# Altium PCB XTIDA-010086.PcbDoc (part 3 of 17) (continued)
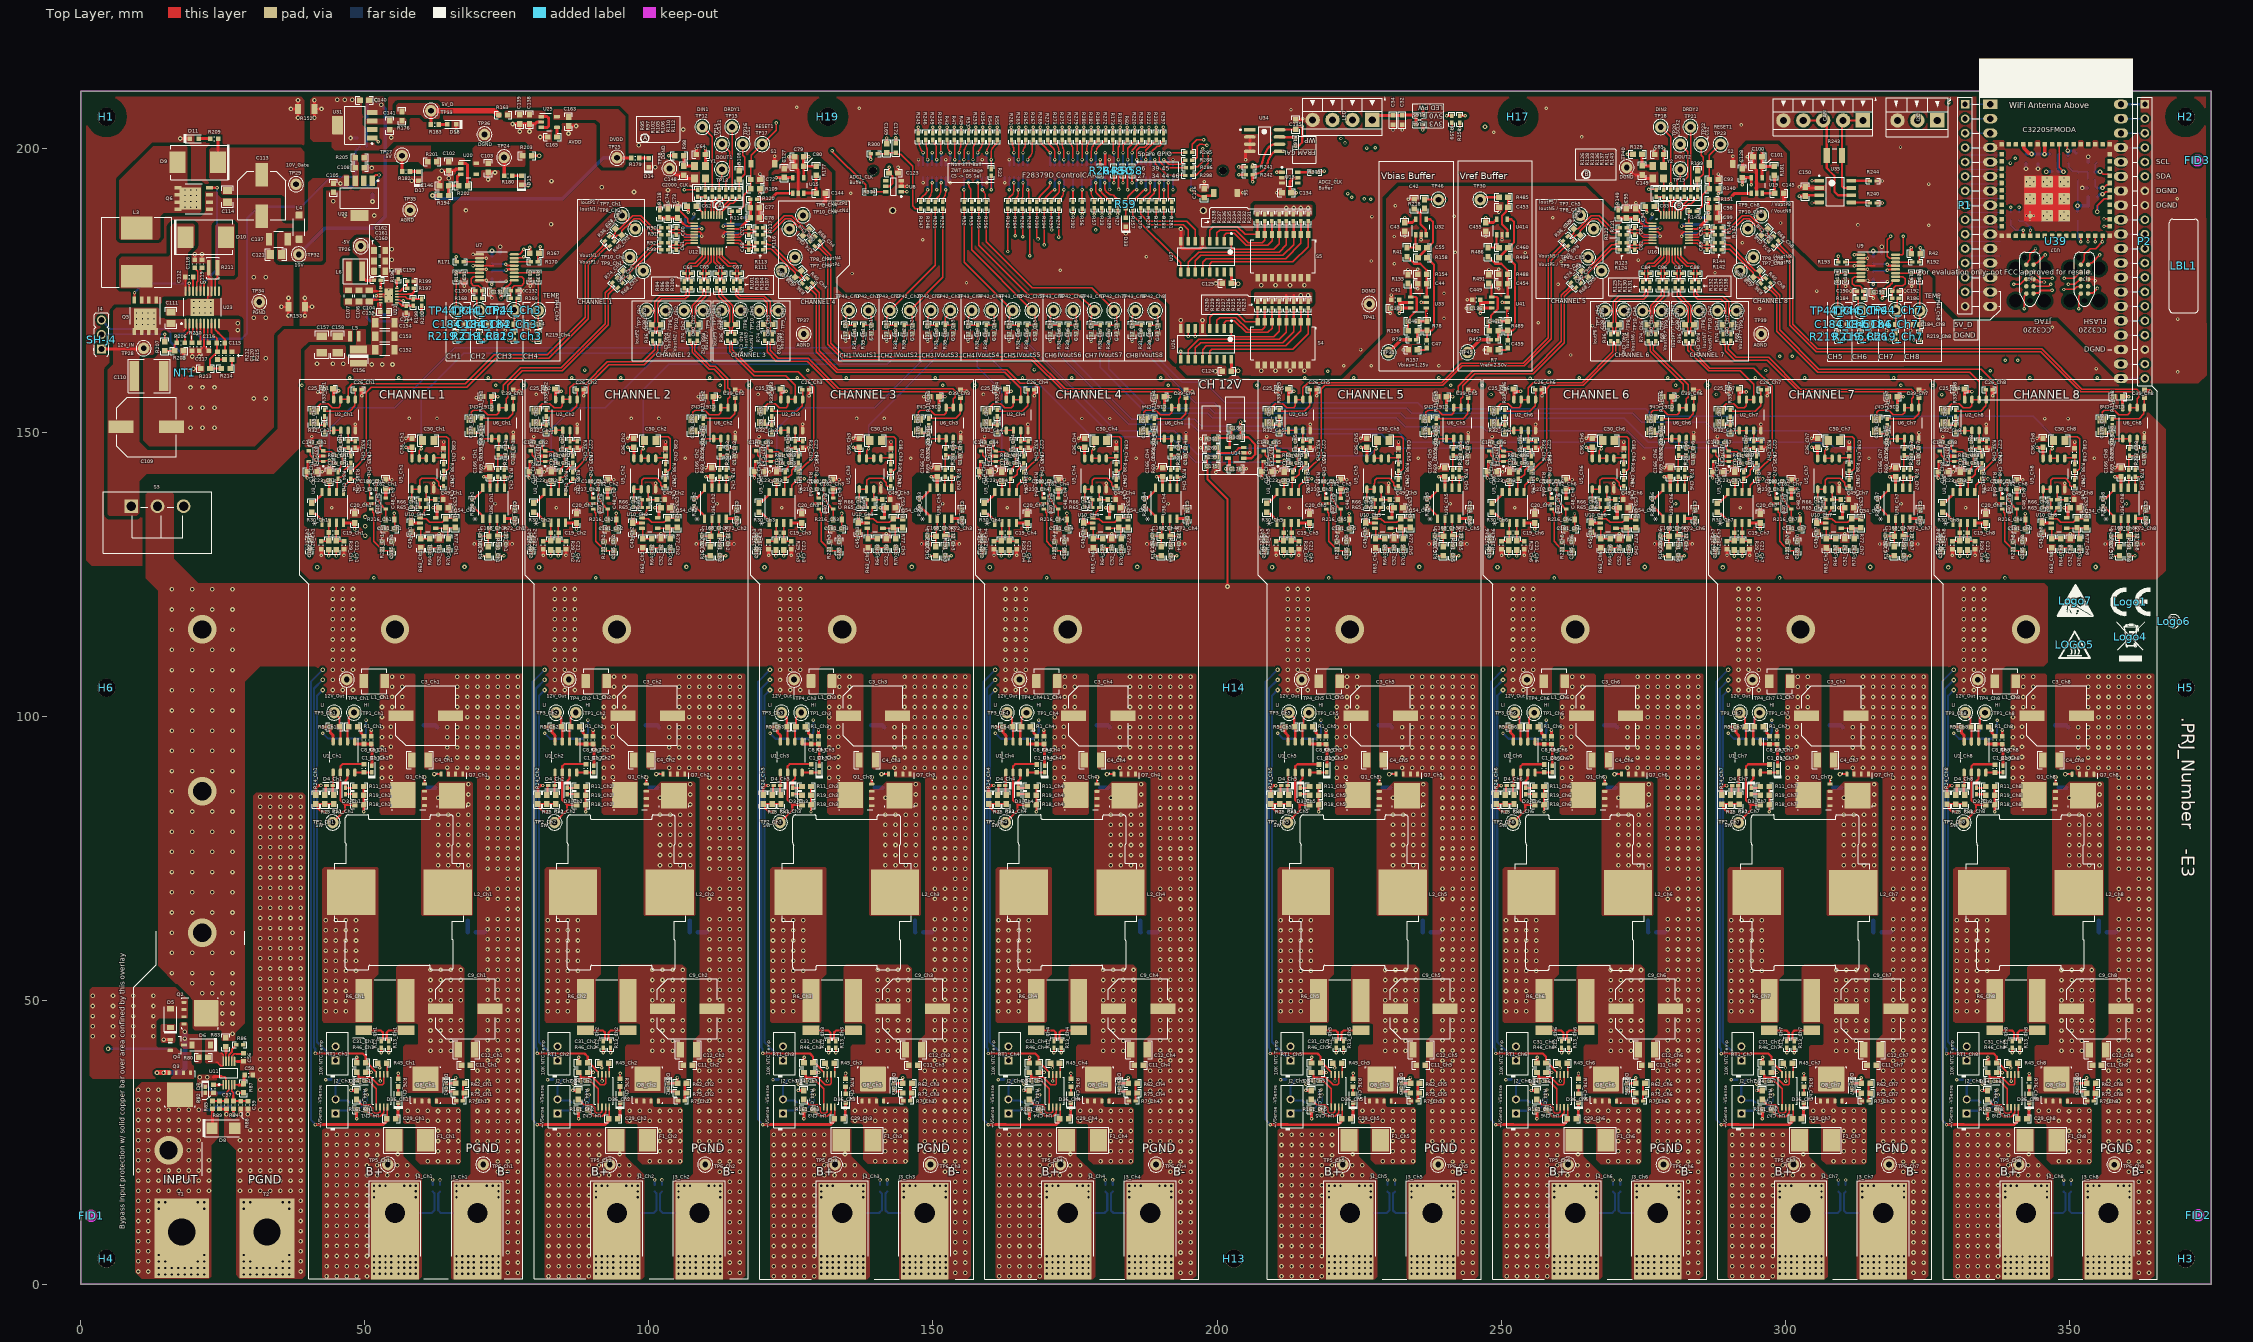
[diagram p0: Top Layer view]
## Components (designator, comment, footprint, x,y, rotation, side; value= is the part's Value field where it differs from the comment) (continued)
R9_Ch7 "RC1206FR-0710RL" 1206L 314.19,63.996 r0 bottom value=10.0 (schematic designator R9)
R9_Ch8 "RC1206FR-0710RL" 1206L 353.865,63.994 r0 bottom value=10.0 (schematic designator R9)
R10_Ch1 "CRCW04020000Z0ED" 0402 61.951,16.891 r270 bottom value=0 (schematic designator R10)
R10_Ch2 "CRCW04020000Z0ED" 0402 101.016,16.889 r270 bottom value=0 (schematic designator R10)
R10_Ch3 "CRCW04020000Z0ED" 0402 140.691,16.887 r270 bottom value=0 (schematic designator R10)
R10_Ch4 "CRCW04020000Z0ED" 0402 180.365,16.885 r270 bottom value=0 (schematic designator R10)
R10_Ch5 "CRCW04020000Z0ED" 0402 230.04,16.883 r270 bottom value=0 (schematic designator R10)
R10_Ch6 "CRCW04020000Z0ED" 0402 269.715,16.881 r270 bottom value=0 (schematic designator R10)
R10_Ch7 "CRCW04020000Z0ED" 0402 309.39,16.879 r270 bottom value=0 (schematic designator R10)
R10_Ch8 "CRCW04020000Z0ED" 0402 349.065,16.877 r270 bottom value=0 (schematic designator R10)
R11_Ch1 "CRCW06032R00FKEA" 0603 48.993,87.612 r180 top value=2.00 (schematic designator R11)
R11_Ch2 "CRCW06032R00FKEA" 0603 88.058,87.61 r180 top value=2.00 (schematic designator R11)
R11_Ch3 "CRCW06032R00FKEA" 0603 127.733,87.608 r180 top value=2.00 (schematic designator R11)
R11_Ch4 "CRCW06032R00FKEA" 0603 167.408,87.606 r180 top value=2.00 (schematic designator R11)
R11_Ch5 "CRCW06032R00FKEA" 0603 217.083,87.604 r180 top value=2.00 (schematic designator R11)
R11_Ch6 "CRCW06032R00FKEA" 0603 256.758,87.602 r180 top value=2.00 (schematic designator R11)
R11_Ch7 "CRCW06032R00FKEA" 0603 296.432,87.6 r180 top value=2.00 (schematic designator R11)
R11_Ch8 "CRCW06032R00FKEA" 0603 336.107,87.598 r180 top value=2.00 (schematic designator R11)
R12_Ch1 "CRCW04020000Z0ED" 0402 52.883,42.198 r90 top value=0 (schematic designator R12)
R12_Ch2 "CRCW04020000Z0ED" 0402 91.948,42.196 r90 top value=0 (schematic designator R12)
R12_Ch3 "CRCW04020000Z0ED" 0402 131.623,42.194 r90 top value=0 (schematic designator R12)
R12_Ch4 "CRCW04020000Z0ED" 0402 171.298,42.192 r90 top value=0 (schematic designator R12)
R12_Ch5 "CRCW04020000Z0ED" 0402 220.972,42.19 r90 top value=0 (schematic designator R12)
R12_Ch6 "CRCW04020000Z0ED" 0402 260.647,42.188 r90 top value=0 (schematic designator R12)
R12_Ch7 "CRCW04020000Z0ED" 0402 300.322,42.186 r90 top value=0 (schematic designator R12)
R12_Ch8 "CRCW04020000Z0ED" 0402 339.997,42.184 r90 top value=0 (schematic designator R12)
R13_Ch1 "CRCW04020000Z0ED" 0402 54.178,42.198 r90 top value=0 (schematic designator R13)
R13_Ch2 "CRCW04020000Z0ED" 0402 93.243,42.196 r90 top value=0 (schematic designator R13)
R13_Ch3 "CRCW04020000Z0ED" 0402 132.918,42.194 r90 top value=0 (schematic designator R13)
R13_Ch4 "CRCW04020000Z0ED" 0402 172.593,42.192 r90 top value=0 (schematic designator R13)
R13_Ch5 "CRCW04020000Z0ED" 0402 222.268,42.19 r90 top value=0 (schematic designator R13)
R13_Ch6 "CRCW04020000Z0ED" 0402 261.943,42.188 r90 top value=0 (schematic designator R13)
R13_Ch7 "CRCW04020000Z0ED" 0402 301.617,42.186 r90 top value=0 (schematic designator R13)
R13_Ch8 "CRCW04020000Z0ED" 0402 341.292,42.184 r90 top value=0 (schematic designator R13)
R14_Ch1 "CRCW04020000Z0ED" 0402 47.904,30.709 r180 bottom value=0 (schematic designator R14)
R14_Ch2 "CRCW04020000Z0ED" 0402 86.97,30.707 r180 bottom value=0 (schematic designator R14)
R14_Ch3 "CRCW04020000Z0ED" 0402 126.644,30.705 r180 bottom value=0 (schematic designator R14)
R14_Ch4 "CRCW04020000Z0ED" 0402 166.319,30.703 r180 bottom value=0 (schematic designator R14)
R14_Ch5 "CRCW04020000Z0ED" 0402 215.994,30.701 r180 bottom value=0 (schematic designator R14)
R14_Ch6 "CRCW04020000Z0ED" 0402 255.669,30.699 r180 bottom value=0 (schematic designator R14)
R14_Ch7 "CRCW04020000Z0ED" 0402 295.344,30.697 r180 bottom value=0 (schematic designator R14)
R14_Ch8 "CRCW04020000Z0ED" 0402 335.018,30.695 r180 bottom value=0 (schematic designator R14)
R15_Ch1 "CRCW06031M00FKEA" 0603 44.882,36.006 r180 bottom value=1.00Meg (schematic designator R15)
R15_Ch2 "CRCW06031M00FKEA" 0603 83.947,36.004 r180 bottom value=1.00Meg (schematic designator R15)
R15_Ch3 "CRCW06031M00FKEA" 0603 123.622,36.002 r180 bottom value=1.00Meg (schematic designator R15)
R15_Ch4 "CRCW06031M00FKEA" 0603 163.297,36 r180 bottom value=1.00Meg (schematic designator R15)
R15_Ch5 "CRCW06031M00FKEA" 0603 212.971,35.998 r180 bottom value=1.00Meg (schematic designator R15)
R15_Ch6 "CRCW06031M00FKEA" 0603 252.646,35.996 r180 bottom value=1.00Meg (schematic designator R15)
R15_Ch7 "CRCW06031M00FKEA" 0603 292.321,35.994 r180 bottom value=1.00Meg (schematic designator R15)
R15_Ch8 "CRCW06031M00FKEA" 0603 331.996,35.992 r180 bottom value=1.00Meg (schematic designator R15)
R16_Ch1 "CRCW060349K9FKEA" 0603 71.751,129.051 r270 top value=49.9k (schematic designator R16)
R16_Ch2 "CRCW060349K9FKEA" 0603 110.816,129.049 r270 top value=49.9k (schematic designator R16)
R16_Ch3 "CRCW060349K9FKEA" 0603 150.491,129.047 r270 top value=49.9k (schematic designator R16)
R16_Ch4 "CRCW060349K9FKEA" 0603 190.166,129.045 r270 top value=49.9k (schematic designator R16)
R16_Ch5 "CRCW060349K9FKEA" 0603 239.841,129.043 r270 top value=49.9k (schematic designator R16)
R16_Ch6 "CRCW060349K9FKEA" 0603 279.515,129.041 r270 top value=49.9k (schematic designator R16)
R16_Ch7 "CRCW060349K9FKEA" 0603 319.19,129.039 r270 top value=49.9k (schematic designator R16)
R16_Ch8 "CRCW060349K9FKEA" 0603 358.865,129.037 r270 top value=49.9k (schematic designator R16)
R17_Ch1 "CRCW04020000Z0ED" 0402 47.904,32.029 r180 bottom value=0 (schematic designator R17)
R17_Ch2 "CRCW04020000Z0ED" 0402 86.97,32.027 r180 bottom value=0 (schematic designator R17)
R17_Ch3 "CRCW04020000Z0ED" 0402 126.644,32.025 r180 bottom value=0 (schematic designator R17)
R17_Ch4 "CRCW04020000Z0ED" 0402 166.319,32.023 r180 bottom value=0 (schematic designator R17)
R17_Ch5 "CRCW04020000Z0ED" 0402 215.994,32.021 r180 bottom value=0 (schematic designator R17)
R17_Ch6 "CRCW04020000Z0ED" 0402 255.669,32.019 r180 bottom value=0 (schematic designator R17)
R17_Ch7 "CRCW04020000Z0ED" 0402 295.344,32.017 r180 bottom value=0 (schematic designator R17)
R17_Ch8 "CRCW04020000Z0ED" 0402 335.018,32.015 r180 bottom value=0 (schematic designator R17)
R18_Ch1 "RC0603FR-0710KL" 0603 48.993,84.406 r0 top value=10.0k (schematic designator R18)
R18_Ch2 "RC0603FR-0710KL" 0603 88.058,84.404 r0 top value=10.0k (schematic designator R18)
R18_Ch3 "RC0603FR-0710KL" 0603 127.733,84.402 r0 top value=10.0k (schematic designator R18)
R18_Ch4 "RC0603FR-0710KL" 0603 167.408,84.4 r0 top value=10.0k (schematic designator R18)
R18_Ch5 "RC0603FR-0710KL" 0603 217.083,84.398 r0 top value=10.0k (schematic designator R18)
R18_Ch6 "RC0603FR-0710KL" 0603 256.758,84.396 r0 top value=10.0k (schematic designator R18)
R18_Ch7 "RC0603FR-0710KL" 0603 296.432,84.394 r0 top value=10.0k (schematic designator R18)
R18_Ch8 "RC0603FR-0710KL" 0603 336.107,84.392 r0 top value=10.0k (schematic designator R18)
R19_Ch1 "RC0603FR-071RL" 0603 48.993,86.066 r0 top value=1.00 (schematic designator R19)
R19_Ch2 "RC0603FR-071RL" 0603 88.058,86.064 r0 top value=1.00 (schematic designator R19)
R19_Ch3 "RC0603FR-071RL" 0603 127.733,86.062 r0 top value=1.00 (schematic designator R19)
R19_Ch4 "RC0603FR-071RL" 0603 167.408,86.06 r0 top value=1.00 (schematic designator R19)
R19_Ch5 "RC0603FR-071RL" 0603 217.083,86.058 r0 top value=1.00 (schematic designator R19)
R19_Ch6 "RC0603FR-071RL" 0603 256.758,86.056 r0 top value=1.00 (schematic designator R19)
R19_Ch7 "RC0603FR-071RL" 0603 296.432,86.054 r0 top value=1.00 (schematic designator R19)
R19_Ch8 "RC0603FR-071RL" 0603 336.107,86.052 r0 top value=1.00 (schematic designator R19)
R20_Ch1 "CRCW04020000Z0ED" 0402 63.221,16.891 r90 bottom value=0 (schematic designator R20)
R20_Ch2 "CRCW04020000Z0ED" 0402 102.286,16.889 r90 bottom value=0 (schematic designator R20)
R20_Ch3 "CRCW04020000Z0ED" 0402 141.961,16.887 r90 bottom value=0 (schematic designator R20)
R20_Ch4 "CRCW04020000Z0ED" 0402 181.635,16.885 r90 bottom value=0 (schematic designator R20)
R20_Ch5 "CRCW04020000Z0ED" 0402 231.31,16.883 r90 bottom value=0 (schematic designator R20)
R20_Ch6 "CRCW04020000Z0ED" 0402 270.985,16.881 r90 bottom value=0 (schematic designator R20)
R20_Ch7 "CRCW04020000Z0ED" 0402 310.66,16.879 r90 bottom value=0 (schematic designator R20)
R20_Ch8 "CRCW04020000Z0ED" 0402 350.335,16.877 r90 bottom value=0 (schematic designator R20)
R21_Ch1 "CRCW06032R00FKEA" 0603 44.51,85.321 r90 top value=2.00 (schematic designator R21)
R21_Ch2 "CRCW06032R00FKEA" 0603 83.575,85.319 r90 top value=2.00 (schematic designator R21)
R21_Ch3 "CRCW06032R00FKEA" 0603 123.25,85.317 r90 top value=2.00 (schematic designator R21)
R21_Ch4 "CRCW06032R00FKEA" 0603 162.925,85.315 r90 top value=2.00 (schematic designator R21)
R21_Ch5 "CRCW06032R00FKEA" 0603 212.6,85.313 r90 top value=2.00 (schematic designator R21)
R21_Ch6 "CRCW06032R00FKEA" 0603 252.274,85.311 r90 top value=2.00 (schematic designator R21)
R21_Ch7 "CRCW06032R00FKEA" 0603 291.949,85.309 r90 top value=2.00 (schematic designator R21)
R21_Ch8 "CRCW06032R00FKEA" 0603 331.624,85.307 r90 top value=2.00 (schematic designator R21)
R22 "CRCW04020000Z0ED" 0402 160.25,195.707 r270 top value=0
R23 "FC0402E50R0BST1" 0402 179.734,189.959 r90 top value=50
R24_Ch1 "RC0603FR-0710KL" 0603 41.386,85.321 r270 top value=10.0k (schematic designator R24)
R24_Ch2 "RC0603FR-0710KL" 0603 80.451,85.319 r270 top value=10.0k (schematic designator R24)
R24_Ch3 "RC0603FR-0710KL" 0603 120.126,85.317 r270 top value=10.0k (schematic designator R24)
R24_Ch4 "RC0603FR-0710KL" 0603 159.801,85.315 r270 top value=10.0k (schematic designator R24)
R24_Ch5 "RC0603FR-0710KL" 0603 209.475,85.313 r270 top value=10.0k (schematic designator R24)
R24_Ch6 "RC0603FR-0710KL" 0603 249.15,85.311 r270 top value=10.0k (schematic designator R24)
R24_Ch7 "RC0603FR-0710KL" 0603 288.825,85.309 r270 top value=10.0k (schematic designator R24)
R24_Ch8 "RC0603FR-0710KL" 0603 328.5,85.307 r270 top value=10.0k (schematic designator R24)
R25_Ch1 "RC0603FR-071RL" 0603 42.947,85.321 r270 top value=1.00 (schematic designator R25)
R25_Ch2 "RC0603FR-071RL" 0603 82.012,85.319 r270 top value=1.00 (schematic designator R25)
R25_Ch3 "RC0603FR-071RL" 0603 121.687,85.317 r270 top value=1.00 (schematic designator R25)
R25_Ch4 "RC0603FR-071RL" 0603 161.362,85.315 r270 top value=1.00 (schematic designator R25)
R25_Ch5 "RC0603FR-071RL" 0603 211.037,85.313 r270 top value=1.00 (schematic designator R25)
R25_Ch6 "RC0603FR-071RL" 0603 250.711,85.311 r270 top value=1.00 (schematic designator R25)
R25_Ch7 "RC0603FR-071RL" 0603 290.386,85.309 r270 top value=1.00 (schematic designator R25)
R25_Ch8 "RC0603FR-071RL" 0603 330.061,85.307 r270 top value=1.00 (schematic designator R25)
R26 "CRCW04020000Z0ED" 0402 179.45,195.986 r270 top value=0
R27 "FC0402E50R0BST1" 0402 182.465,189.959 r90 top value=50
R28_Ch1 "RG1608P-102-B-T5" 0603 43.622,130.055 r90 top value=1.00k (schematic designator R28)
R28_Ch2 "RG1608P-102-B-T5" 0603 82.687,130.053 r90 top value=1.00k (schematic designator R28)
R28_Ch3 "RG1608P-102-B-T5" 0603 122.362,130.051 r90 top value=1.00k (schematic designator R28)
R28_Ch4 "RG1608P-102-B-T5" 0603 162.037,130.049 r90 top value=1.00k (schematic designator R28)
R28_Ch5 "RG1608P-102-B-T5" 0603 211.712,130.047 r90 top value=1.00k (schematic designator R28)
R28_Ch6 "RG1608P-102-B-T5" 0603 251.386,130.045 r90 top value=1.00k (schematic designator R28)
R28_Ch7 "RG1608P-102-B-T5" 0603 291.061,130.043 r90 top value=1.00k (schematic designator R28)
R28_Ch8 "RG1608P-102-B-T5" 0603 330.736,130.041 r90 top value=1.00k (schematic designator R28)
R29_Ch1 "RG1608P-102-B-T5" 0603 44.994,130.055 r90 top value=1.00k (schematic designator R29)
R29_Ch2 "RG1608P-102-B-T5" 0603 84.059,130.053 r90 top value=1.00k (schematic designator R29)
R29_Ch3 "RG1608P-102-B-T5" 0603 123.734,130.051 r90 top value=1.00k (schematic designator R29)
R29_Ch4 "RG1608P-102-B-T5" 0603 163.408,130.049 r90 top value=1.00k (schematic designator R29)
R29_Ch5 "RG1608P-102-B-T5" 0603 213.083,130.047 r90 top value=1.00k (schematic designator R29)
R29_Ch6 "RG1608P-102-B-T5" 0603 252.758,130.045 r90 top value=1.00k (schematic designator R29)
R29_Ch7 "RG1608P-102-B-T5" 0603 292.433,130.043 r90 top value=1.00k (schematic designator R29)
R29_Ch8 "RG1608P-102-B-T5" 0603 332.108,130.041 r90 top value=1.00k (schematic designator R29)
R30_Ch1 "RT0603BRD072K18L" 0603 40.645,136.701 r270 top value=2.18k (schematic designator R30)
R30_Ch2 "RT0603BRD072K18L" 0603 79.71,136.699 r270 top value=2.18k (schematic designator R30)
R30_Ch3 "RT0603BRD072K18L" 0603 119.385,136.697 r270 top value=2.18k (schematic designator R30)
R30_Ch4 "RT0603BRD072K18L" 0603 159.06,136.695 r270 top value=2.18k (schematic designator R30)
R30_Ch5 "RT0603BRD072K18L" 0603 208.734,136.693 r270 top value=2.18k (schematic designator R30)
R30_Ch6 "RT0603BRD072K18L" 0603 248.409,136.691 r270 top value=2.18k (schematic designator R30)
R30_Ch7 "RT0603BRD072K18L" 0603 288.084,136.689 r270 top value=2.18k (schematic designator R30)
R30_Ch8 "RT0603BRD072K18L" 0603 327.759,136.687 r270 top value=2.18k (schematic designator R30)
R31_Ch1 "CRCW04020000Z0ED" 0402 136.246,168.211 r90 top value=0 (schematic designator R31)
R31_Ch2 "CRCW04020000Z0ED" 0402 143.447,168.211 r90 top value=0 (schematic designator R31)
R31_Ch3 "CRCW04020000Z0ED" 0402 150.649,168.211 r90 top value=0 (schematic designator R31)
R31_Ch4 "CRCW04020000Z0ED" 0402 157.851,168.211 r90 top value=0 (schematic designator R31)
R31_Ch5 "CRCW04020000Z0ED" 0402 165.052,168.211 r90 top value=0 (schematic designator R31)
R31_Ch6 "CRCW04020000Z0ED" 0402 172.254,168.211 r90 top value=0 (schematic designator R31)
R31_Ch7 "CRCW04020000Z0ED" 0402 179.456,168.211 r90 top value=0 (schematic designator R31)
R31_Ch8 "CRCW04020000Z0ED" 0402 186.657,168.211 r90 top value=0 (schematic designator R31)
R32_Ch1 "CRCW04022K70JNED" 0402 42.887,150.571 r90 top value=2.7k (schematic designator R32)
R32_Ch2 "CRCW04022K70JNED" 0402 81.952,150.569 r90 top value=2.7k (schematic designator R32)
R32_Ch3 "CRCW04022K70JNED" 0402 121.627,150.567 r90 top value=2.7k (schematic designator R32)
R32_Ch4 "CRCW04022K70JNED" 0402 161.301,150.565 r90 top value=2.7k (schematic designator R32)
R32_Ch5 "CRCW04022K70JNED" 0402 210.976,150.563 r90 top value=2.7k (schematic designator R32)
R32_Ch6 "CRCW04022K70JNED" 0402 250.651,150.561 r90 top value=2.7k (schematic designator R32)
R32_Ch7 "CRCW04022K70JNED" 0402 290.326,150.559 r90 top value=2.7k (schematic designator R32)
R32_Ch8 "CRCW04022K70JNED" 0402 330.001,150.557 r90 top value=2.7k (schematic designator R32)
R33_Ch1 "CRCW04025K10JNED" 0402 42.887,153.34 r90 top value=5.1k (schematic designator R33)
R33_Ch2 "CRCW04025K10JNED" 0402 81.952,153.338 r90 top value=5.1k (schematic designator R33)
R33_Ch3 "CRCW04025K10JNED" 0402 121.627,153.336 r90 top value=5.1k (schematic designator R33)
R33_Ch4 "CRCW04025K10JNED" 0402 161.301,153.334 r90 top value=5.1k (schematic designator R33)
R33_Ch5 "CRCW04025K10JNED" 0402 210.976,153.332 r90 top value=5.1k (schematic designator R33)
R33_Ch6 "CRCW04025K10JNED" 0402 250.651,153.33 r90 top value=5.1k (schematic designator R33)
R33_Ch7 "CRCW04025K10JNED" 0402 290.326,153.328 r90 top value=5.1k (schematic designator R33)
R33_Ch8 "CRCW04025K10JNED" 0402 330.001,153.326 r90 top value=5.1k (schematic designator R33)
R34_Ch1 "CRCW04020000Z0ED" 0402 45.274,142.361 r90 top value=0 (schematic designator R34)
R34_Ch2 "CRCW04020000Z0ED" 0402 84.339,142.359 r90 top value=0 (schematic designator R34)
R34_Ch3 "CRCW04020000Z0ED" 0402 124.014,142.357 r90 top value=0 (schematic designator R34)
R34_Ch4 "CRCW04020000Z0ED" 0402 163.689,142.355 r90 top value=0 (schematic designator R34)
R34_Ch5 "CRCW04020000Z0ED" 0402 213.364,142.353 r90 top value=0 (schematic designator R34)
R34_Ch6 "CRCW04020000Z0ED" 0402 253.039,142.351 r90 top value=0 (schematic designator R34)
R34_Ch7 "CRCW04020000Z0ED" 0402 292.713,142.349 r90 top value=0 (schematic designator R34)
R34_Ch8 "CRCW04020000Z0ED" 0402 332.388,142.347 r90 top value=0 (schematic designator R34)
R35_Ch1 "CRCW04027K50FKED" 0402 47.53,145.153 r90 top value=7.50k (schematic designator R35)
R35_Ch2 "CRCW04027K50FKED" 0402 86.595,145.151 r90 top value=7.50k (schematic designator R35)
R35_Ch3 "CRCW04027K50FKED" 0402 126.27,145.149 r90 top value=7.50k (schematic designator R35)
R35_Ch4 "CRCW04027K50FKED" 0402 165.944,145.147 r90 top value=7.50k (schematic designator R35)
R35_Ch5 "CRCW04027K50FKED" 0402 215.619,145.145 r90 top value=7.50k (schematic designator R35)
R35_Ch6 "CRCW04027K50FKED" 0402 255.294,145.143 r90 top value=7.50k (schematic designator R35)
R35_Ch7 "CRCW04027K50FKED" 0402 294.969,145.141 r90 top value=7.50k (schematic designator R35)
R35_Ch8 "CRCW04027K50FKED" 0402 334.644,145.139 r90 top value=7.50k (schematic designator R35)
R36_Ch1 "CRCW04020000Z0ED" 0402 92.623,184.052 r45 top value=0 (schematic designator R36)
R36_Ch2 "CRCW04020000Z0ED" 0402 100.628,166.625 r90 top value=0 (schematic designator R36)
R36_Ch3 "CRCW04020000Z0ED" 0402 113.834,166.674 r90 top value=0 (schematic designator R36)
R36_Ch4 "CRCW04020000Z0ED" 0402 127.429,175.783 r135 top value=0 (schematic designator R36)
R36_Ch5 "CRCW04020000Z0ED" 0402 261.313,184.055 r45 top value=0 (schematic designator R36)
R36_Ch6 "CRCW04020000Z0ED" 0402 269.322,166.617 r90 top value=0 (schematic designator R36)
R36_Ch7 "CRCW04020000Z0ED" 0402 282.532,166.617 r90 top value=0 (schematic designator R36)
R36_Ch8 "CRCW04020000Z0ED" 0402 296.128,175.775 r135 top value=0 (schematic designator R36)
R37_Ch1 "CRCW040211K0FKED" 0402 47.038,147.828 r90 top value=11.0k (schematic designator R37)
R37_Ch2 "CRCW040211K0FKED" 0402 86.104,147.826 r90 top value=11.0k (schematic designator R37)
R37_Ch3 "CRCW040211K0FKED" 0402 125.778,147.824 r90 top value=11.0k (schematic designator R37)
R37_Ch4 "CRCW040211K0FKED" 0402 165.453,147.822 r90 top value=11.0k (schematic designator R37)
R37_Ch5 "CRCW040211K0FKED" 0402 215.128,147.82 r90 top value=11.0k (schematic designator R37)
R37_Ch6 "CRCW040211K0FKED" 0402 254.803,147.818 r90 top value=11.0k (schematic designator R37)
R37_Ch7 "CRCW040211K0FKED" 0402 294.478,147.816 r90 top value=11.0k (schematic designator R37)
R37_Ch8 "CRCW040211K0FKED" 0402 334.152,147.814 r90 top value=11.0k (schematic designator R37)
R38_Ch1 "CRCW04025K10JNED" 0402 63.857,143.779 r90 top value=5.1k (schematic designator R38)
R38_Ch2 "CRCW04025K10JNED" 0402 102.922,143.777 r90 top value=5.1k (schematic designator R38)
R38_Ch3 "CRCW04025K10JNED" 0402 142.597,143.775 r90 top value=5.1k (schematic designator R38)
R38_Ch4 "CRCW04025K10JNED" 0402 182.272,143.773 r90 top value=5.1k (schematic designator R38)
R38_Ch5 "CRCW04025K10JNED" 0402 231.947,143.771 r90 top value=5.1k (schematic designator R38)
R38_Ch6 "CRCW04025K10JNED" 0402 271.622,143.769 r90 top value=5.1k (schematic designator R38)
R38_Ch7 "CRCW04025K10JNED" 0402 311.296,143.767 r90 top value=5.1k (schematic designator R38)
R38_Ch8 "CRCW04025K10JNED" 0402 350.971,143.765 r90 top value=5.1k (schematic designator R38)
R39_Ch1 "CRCW04020000Z0ED" 0402 137.77,168.211 r90 top value=0 (schematic designator R39)
R39_Ch2 "CRCW04020000Z0ED" 0402 144.971,168.211 r90 top value=0 (schematic designator R39)
R39_Ch3 "CRCW04020000Z0ED" 0402 152.173,168.211 r90 top value=0 (schematic designator R39)
R39_Ch4 "CRCW04020000Z0ED" 0402 159.375,168.211 r90 top value=0 (schematic designator R39)
R39_Ch5 "CRCW04020000Z0ED" 0402 166.576,168.211 r90 top value=0 (schematic designator R39)
R39_Ch6 "CRCW04020000Z0ED" 0402 173.778,168.211 r90 top value=0 (schematic designator R39)
R39_Ch7 "CRCW04020000Z0ED" 0402 180.98,168.211 r90 top value=0 (schematic designator R39)
R39_Ch8 "CRCW04020000Z0ED" 0402 188.181,168.211 r90 top value=0 (schematic designator R39)
R40_Ch1 "CRCW04020000Z0ED" 0402 93.504,183.172 r225 top value=0 (schematic designator R40)
R40_Ch2 "CRCW04020000Z0ED" 0402 101.873,166.625 r270 top value=0 (schematic designator R40)
R40_Ch3 "CRCW04020000Z0ED" 0402 115.079,166.674 r270 top value=0 (schematic designator R40)
R40_Ch4 "CRCW04020000Z0ED" 0402 128.309,176.664 r315 top value=0 (schematic designator R40)
R40_Ch5 "CRCW04020000Z0ED" 0402 262.193,183.174 r225 top value=0 (schematic designator R40)
R40_Ch6 "CRCW04020000Z0ED" 0402 270.566,166.617 r270 top value=0 (schematic designator R40)
R40_Ch7 "CRCW04020000Z0ED" 0402 283.777,166.617 r270 top value=0 (schematic designator R40)
R40_Ch8 "CRCW04020000Z0ED" 0402 297.008,176.656 r315 top value=0 (schematic designator R40)
R41 "RG1608P-2491-B-T5" 0603 233.453,181.676 r270 top value=2.49k
R42 "RC0603FR-07100KL" 0603 323.008,181.421 r180 top value=100k
R43 "CRCW04020000Z0ED" 0402 152.478,202.006 r270 top value=0
R44_Ch1 "RC0603FR-0710KL" 0603 48.523,33.305 r90 top value=10.0k (schematic designator R44)
R44_Ch2 "RC0603FR-0710KL" 0603 87.588,33.303 r90 top value=10.0k (schematic designator R44)
R44_Ch3 "RC0603FR-0710KL" 0603 127.263,33.301 r90 top value=10.0k (schematic designator R44)
R44_Ch4 "RC0603FR-0710KL" 0603 166.938,33.299 r90 top value=10.0k (schematic designator R44)
R44_Ch5 "RC0603FR-0710KL" 0603 216.612,33.297 r90 top value=10.0k (schematic designator R44)
R44_Ch6 "RC0603FR-0710KL" 0603 256.287,33.295 r90 top value=10.0k (schematic designator R44)
R44_Ch7 "RC0603FR-0710KL" 0603 295.962,33.293 r90 top value=10.0k (schematic designator R44)
R44_Ch8 "RC0603FR-0710KL" 0603 335.637,33.291 r90 top value=10.0k (schematic designator R44)
R45_Ch1 "RC0603FR-0710KL" 0603 53.061,38.923 r180 top value=10.0k (schematic designator R45)
R45_Ch2 "RC0603FR-0710KL" 0603 92.126,38.921 r180 top value=10.0k (schematic designator R45)
R45_Ch3 "RC0603FR-0710KL" 0603 131.801,38.919 r180 top value=10.0k (schematic designator R45)
R45_Ch4 "RC0603FR-0710KL" 0603 171.475,38.917 r180 top value=10.0k (schematic designator R45)
R45_Ch5 "RC0603FR-0710KL" 0603 221.15,38.915 r180 top value=10.0k (schematic designator R45)
R45_Ch6 "RC0603FR-0710KL" 0603 260.825,38.913 r180 top value=10.0k (schematic designator R45)
R45_Ch7 "RC0603FR-0710KL" 0603 300.5,38.911 r180 top value=10.0k (schematic designator R45)
R45_Ch8 "RC0603FR-0710KL" 0603 340.175,38.909 r180 top value=10.0k (schematic designator R45)
R46_Ch1 "RC0603FR-0710KL" 0603 49.354,37.272 r0 top value=10.0k (schematic designator R46)
R46_Ch2 "RC0603FR-0710KL" 0603 88.419,37.27 r0 top value=10.0k (schematic designator R46)
R46_Ch3 "RC0603FR-0710KL" 0603 128.094,37.268 r0 top value=10.0k (schematic designator R46)
R46_Ch4 "RC0603FR-0710KL" 0603 167.769,37.266 r0 top value=10.0k (schematic designator R46)
R46_Ch5 "RC0603FR-0710KL" 0603 217.443,37.264 r0 top value=10.0k (schematic designator R46)
R46_Ch6 "RC0603FR-0710KL" 0603 257.118,37.262 r0 top value=10.0k (schematic designator R46)
R46_Ch7 "RC0603FR-0710KL" 0603 296.793,37.26 r0 top value=10.0k (schematic designator R46)
R46_Ch8 "RC0603FR-0710KL" 0603 336.468,37.258 r0 top value=10.0k (schematic designator R46)
R47 "CRCW04020000Z0ED" 0402 153.738,202.006 r270 top value=0
R48 "CRCW04020000Z0ED" 0402 181.85,195.986 r270 top value=0
R49 "CRCW04020000Z0ED" 0402 154.998,202.006 r270 top value=0
R50 "CRCW04020000Z0ED" 0402 183.45,195.986 r270 top value=0
R51 "CRCW04020000Z0ED" 0402 156.258,202.006 r270 top value=0
R52 "CRCW04020000Z0ED" 0402 155.521,189.922 r90 top value=0
R53 "CRCW04020000Z0ED" 0402 156.797,189.922 r90 top value=0
R54 "CRCW04020000Z0ED" 0402 160.024,202.006 r270 top value=0
R55 "CRCW04020000Z0ED" 0402 161.299,202.006 r270 top value=0
R56 "FC0402E50R0BST1" 0402 176.25,189.922 r270 top value=50
R57 "CRCW04020000Z0ED" 0402 178.369,189.959 r90 top value=0
R58 "CRCW04020000Z0ED" 0402 185.05,195.986 r270 top value=0
R59 "CRCW06034K99FKEA" 0603L 183.947,190.094 r270 top value=4.99k
R60 "CRCW04020000Z0ED" 0402 184.203,202.006 r90 top value=0
R61_Ch1 "CRCW04025K10JNED" 0402 45.45,145.851 r180 top value=5.1k (schematic designator R61)
R61_Ch2 "CRCW04025K10JNED" 0402 84.515,145.849 r180 top value=5.1k (schematic designator R61)
R61_Ch3 "CRCW04025K10JNED" 0402 124.19,145.847 r180 top value=5.1k (schematic designator R61)
R61_Ch4 "CRCW04025K10JNED" 0402 163.865,145.845 r180 top value=5.1k (schematic designator R61)
R61_Ch5 "CRCW04025K10JNED" 0402 213.539,145.843 r180 top value=5.1k (schematic designator R61)
R61_Ch6 "CRCW04025K10JNED" 0402 253.214,145.841 r180 top value=5.1k (schematic designator R61)
R61_Ch7 "CRCW04025K10JNED" 0402 292.889,145.839 r180 top value=5.1k (schematic designator R61)
R61_Ch8 "CRCW04025K10JNED" 0402 332.564,145.837 r180 top value=5.1k (schematic designator R61)
R62_Ch1 "CRCW06032R00FKEA" 0603 66.762,35.384 r180 top value=2.00 (schematic designator R62)
R62_Ch2 "CRCW06032R00FKEA" 0603 105.827,35.382 r180 top value=2.00 (schematic designator R62)
R62_Ch3 "CRCW06032R00FKEA" 0603 145.502,35.38 r180 top value=2.00 (schematic designator R62)
R62_Ch4 "CRCW06032R00FKEA" 0603 185.177,35.378 r180 top value=2.00 (schematic designator R62)
R62_Ch5 "CRCW06032R00FKEA" 0603 234.852,35.376 r180 top value=2.00 (schematic designator R62)
R62_Ch6 "CRCW06032R00FKEA" 0603 274.527,35.374 r180 top value=2.00 (schematic designator R62)
R62_Ch7 "CRCW06032R00FKEA" 0603 314.201,35.372 r180 top value=2.00 (schematic designator R62)
R62_Ch8 "CRCW06032R00FKEA" 0603 353.876,35.37 r180 top value=2.00 (schematic designator R62)
R63_Ch1 "49.9k 0603" 0603 59.817,130.409 r270 top value=49.9k (schematic designator R63)
R63_Ch2 "49.9k 0603" 0603 98.882,130.407 r270 top value=49.9k (schematic designator R63)
R63_Ch3 "49.9k 0603" 0603 138.557,130.405 r270 top value=49.9k (schematic designator R63)
R63_Ch4 "49.9k 0603" 0603 178.232,130.403 r270 top value=49.9k (schematic designator R63)
R63_Ch5 "49.9k 0603" 0603 227.907,130.401 r270 top value=49.9k (schematic designator R63)
R63_Ch6 "49.9k 0603" 0603 267.581,130.399 r270 top value=49.9k (schematic designator R63)
R63_Ch7 "49.9k 0603" 0603 307.256,130.397 r270 top value=49.9k (schematic designator R63)
R63_Ch8 "49.9k 0603" 0603 346.931,130.395 r270 top value=49.9k (schematic designator R63)
R64_Ch1 "RT0603BRD07100KL" 0603 61.443,130.409 r90 top value=100k (schematic designator R64)
R64_Ch2 "RT0603BRD07100KL" 0603 100.508,130.407 r90 top value=100k (schematic designator R64)
R64_Ch3 "RT0603BRD07100KL" 0603 140.183,130.405 r90 top value=100k (schematic designator R64)
R64_Ch4 "RT0603BRD07100KL" 0603 179.857,130.403 r90 top value=100k (schematic designator R64)
R64_Ch5 "RT0603BRD07100KL" 0603 229.532,130.401 r90 top value=100k (schematic designator R64)
R64_Ch6 "RT0603BRD07100KL" 0603 269.207,130.399 r90 top value=100k (schematic designator R64)
R64_Ch7 "RT0603BRD07100KL" 0603 308.882,130.397 r90 top value=100k (schematic designator R64)
R64_Ch8 "RT0603BRD07100KL" 0603 348.557,130.395 r90 top value=100k (schematic designator R64)
R65_Ch1 "CRCW04027K50FKED" 0402 60.237,136.721 r180 top value=7.50k (schematic designator R65)
R65_Ch2 "CRCW04027K50FKED" 0402 99.302,136.719 r180 top value=7.50k (schematic designator R65)
R65_Ch3 "CRCW04027K50FKED" 0402 138.977,136.717 r180 top value=7.50k (schematic designator R65)
R65_Ch4 "CRCW04027K50FKED" 0402 178.652,136.715 r180 top value=7.50k (schematic designator R65)
R65_Ch5 "CRCW04027K50FKED" 0402 228.327,136.713 r180 top value=7.50k (schematic designator R65)
R65_Ch6 "CRCW04027K50FKED" 0402 268.002,136.711 r180 top value=7.50k (schematic designator R65)
R65_Ch7 "CRCW04027K50FKED" 0402 307.676,136.709 r180 top value=7.50k (schematic designator R65)
R65_Ch8 "CRCW04027K50FKED" 0402 347.351,136.707 r180 top value=7.50k (schematic designator R65)
R66_Ch1 "CRCW040211K0FKED" 0402 60.237,138.118 r0 top value=11.0k (schematic designator R66)
R66_Ch2 "CRCW040211K0FKED" 0402 99.302,138.116 r0 top value=11.0k (schematic designator R66)
R66_Ch3 "CRCW040211K0FKED" 0402 138.977,138.114 r0 top value=11.0k (schematic designator R66)